# Allegro board NightIoT_uBus_Base_L433_V100_PCB.brd
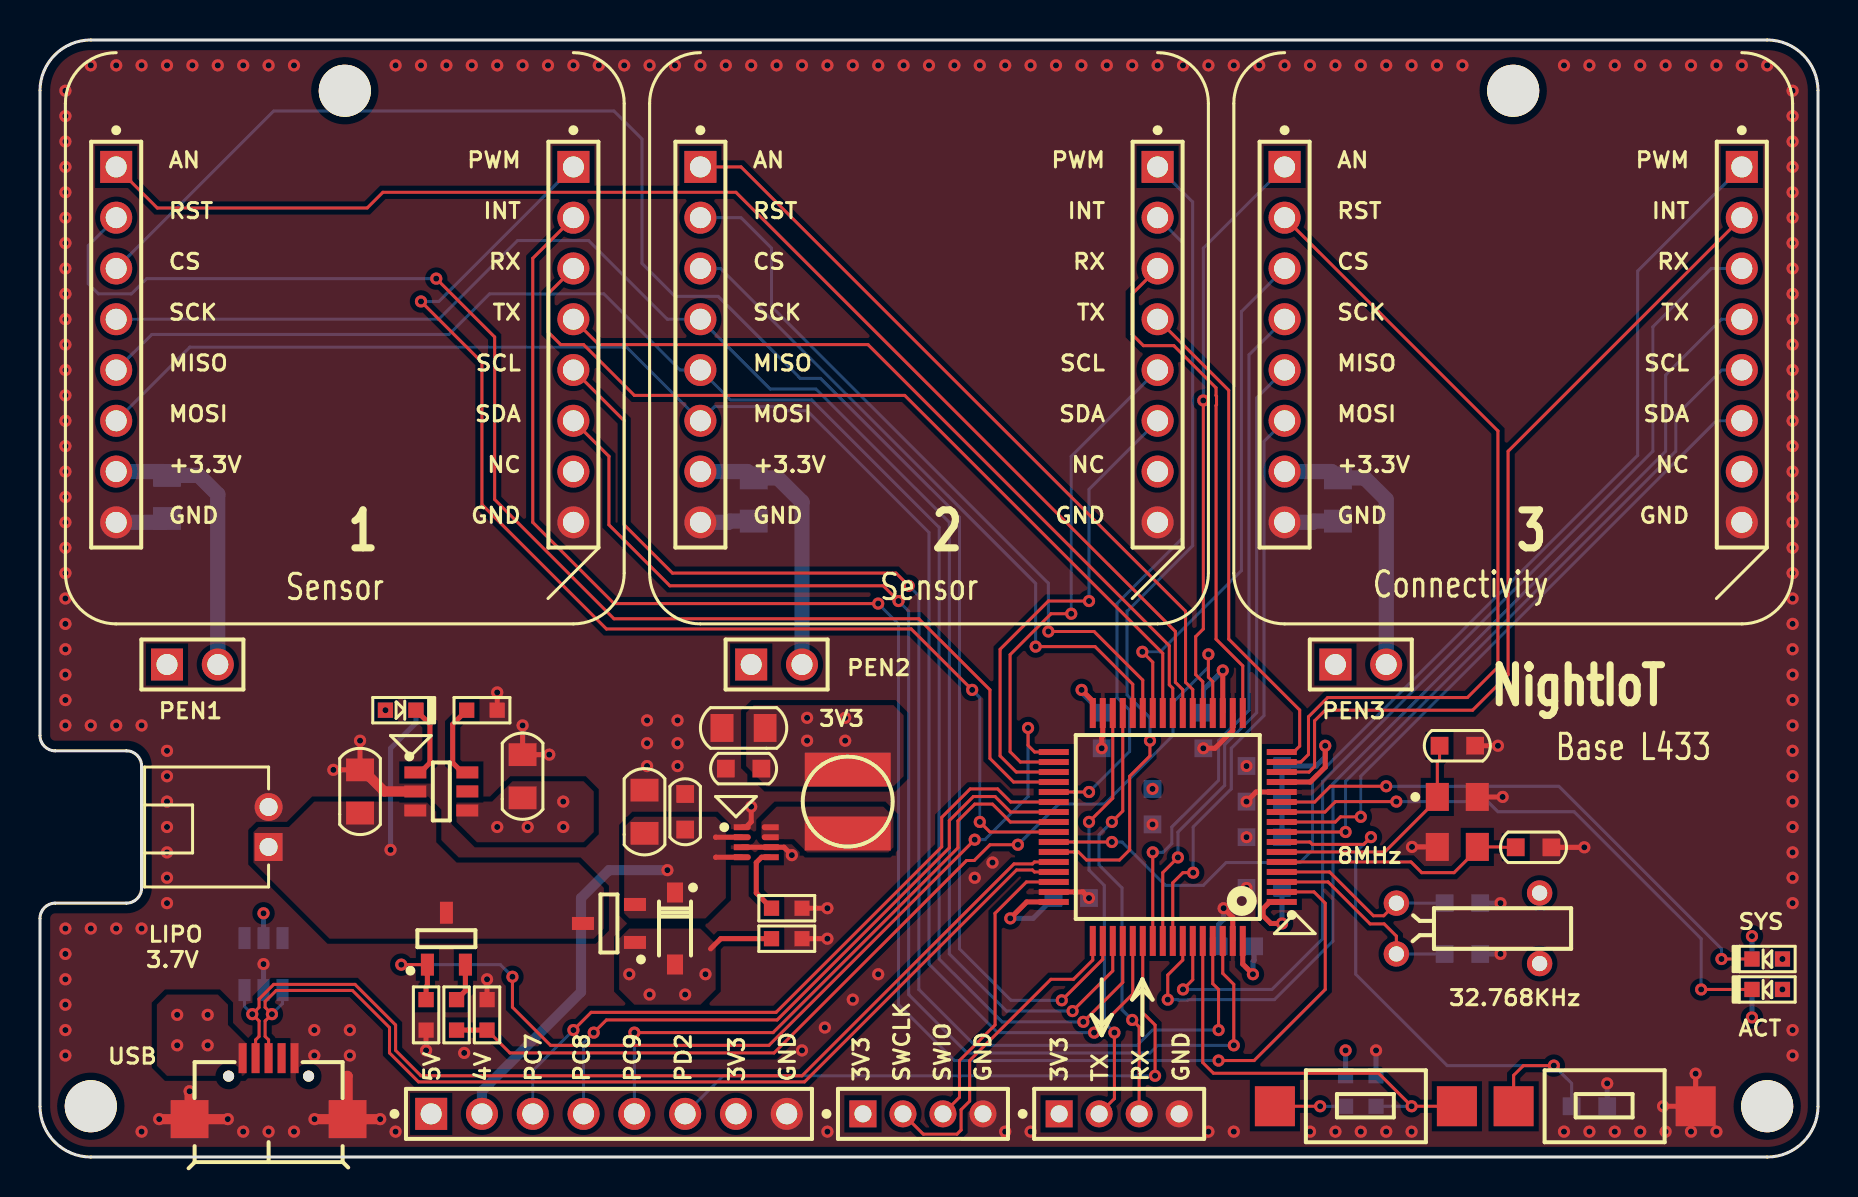
[diagram p0: board, top side]
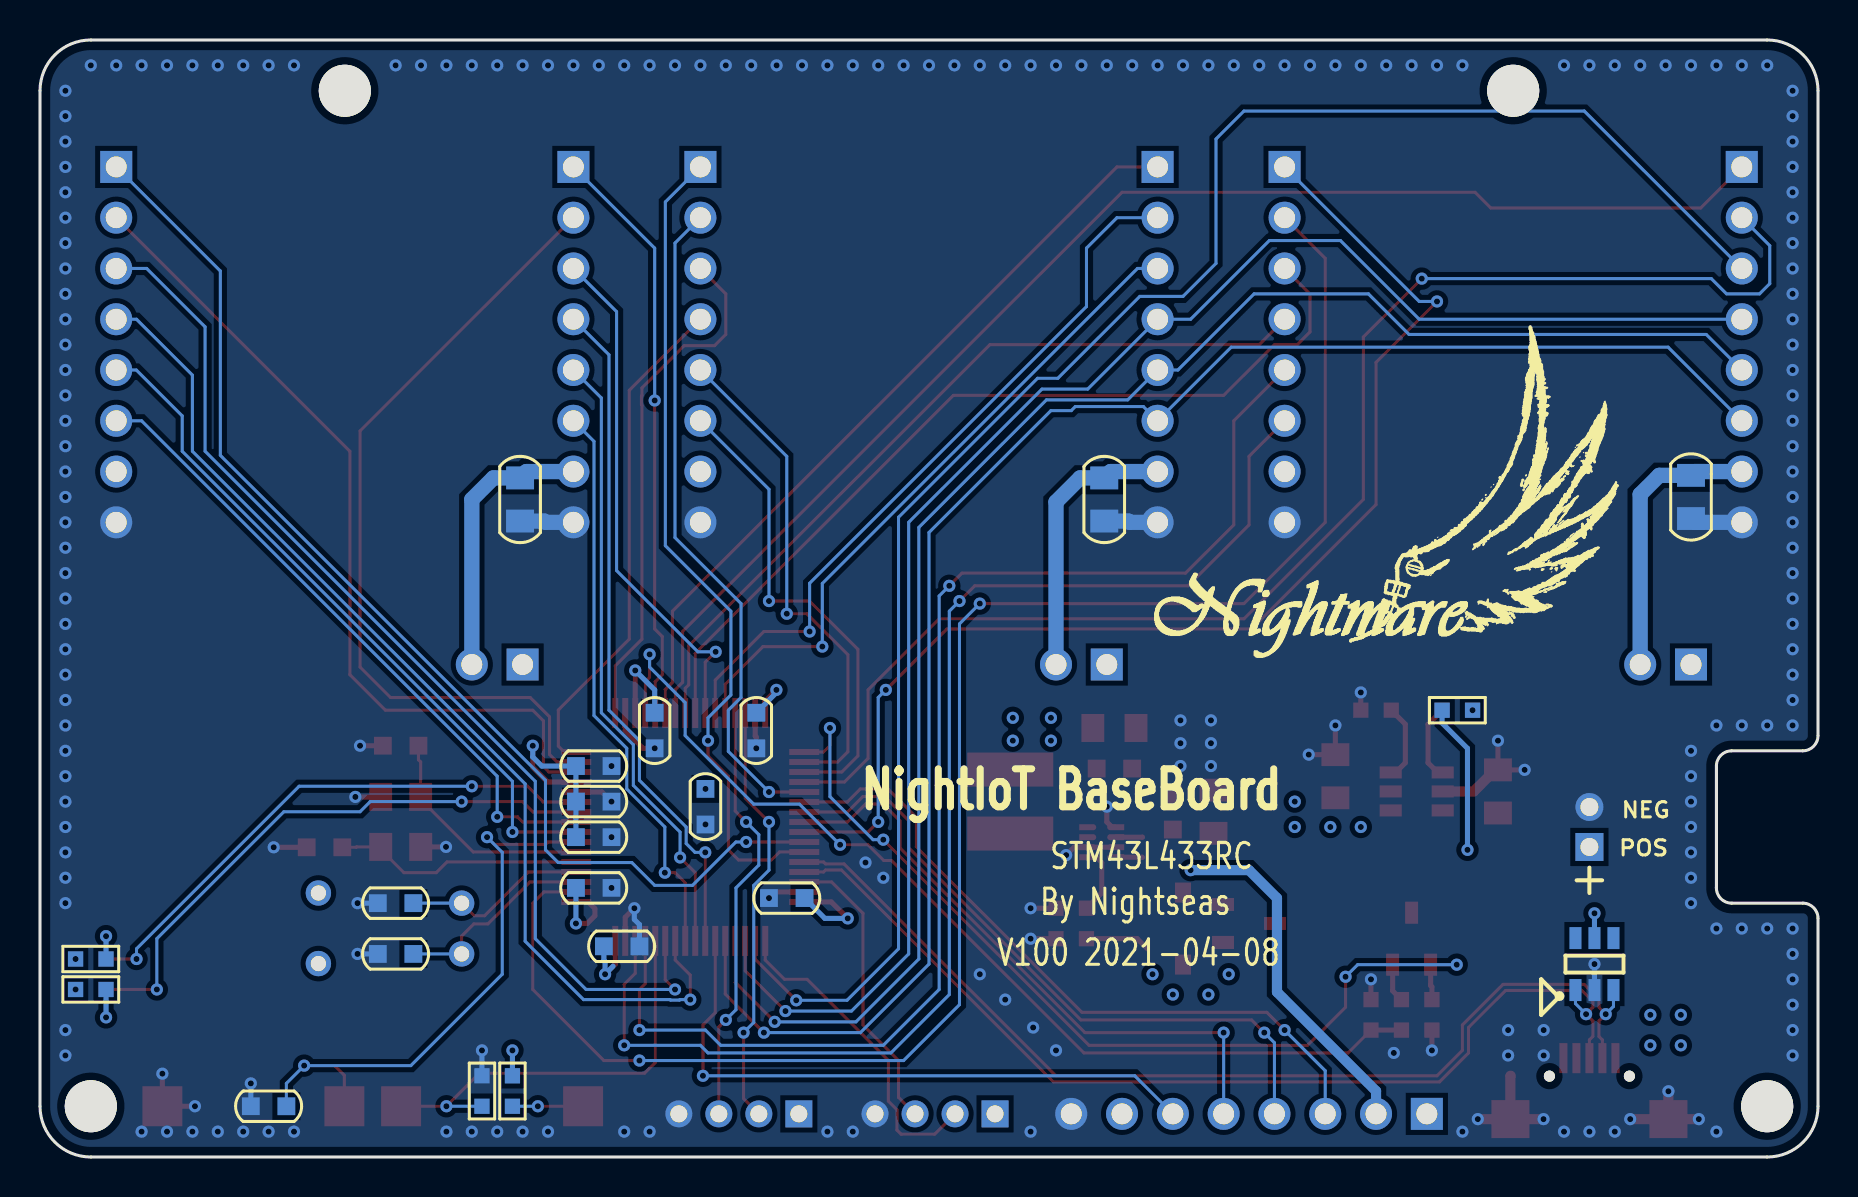
[diagram p1: board, bottom side, seen from below]

Outline 88.9 x 55.88 mm; copper layers: TOP, L2_GND, L3_PWR, BOTTOM. Coordinates in mm from the lower left corner of the outline.
Outline path: 0,53.34 0,21.08 arc(0.22,20.54) 0.76,20.32 4.32,20.32 arc(4.86,20.1) 5.08,19.56 5.08,13.46 arc(4.86,12.92) 4.32,12.7 0.76,12.7 arc(0.22,12.48) 0,11.94 0,2.54 arc(0.74,0.74) 2.54,0 86.36,0 arc(88.16,0.74) 88.9,2.54 88.9,53.34 arc(88.16,55.14) 86.36,55.88 2.54,55.88 arc(0.74,55.14) 0,53.34

## Design rules (mm)
net group DP_USB: nets PA11_USB_DM PA12_USB_DP

## Placement (name value [footprint] x y rotation side)
C1  22pF NC  [C0603]  71.12 10.16 270 bottom
C9  22pF NC  [C0603]  71.12 12.7 270 bottom
C10  10uF  [C0805]  24.13 19.05 180 top
C11  10uF  [C0805]  16 18.29 180 top
C12  4.7uF  [C0805]  30.23 17.27 180 top
C13  0.1uF  [C0603]  32.26 17.27 180 top
C14  0.1uF  [C0603]  35.18 19.43 270 top
C15  10uF  [C0805]  35.18 21.46 270 top
C16  0.1uF  [C0603]  77.47 2.54 90 bottom
C17  22pF  [C0603]  70.87 20.57 270 top
C18  22pF  [C0603]  74.68 15.49 270 top
C19  0.1uF  [C0603]  58.17 21.34 0 bottom
C20  1uF  [C0603]  61.21 16 270 bottom
C22  10nF  [C0603]  61.21 19.56 270 bottom
C23  0.1uF  [C0603]  61.21 17.78 270 bottom
C24  4.7uF  [C0603]  55.63 17.53 0 bottom
C25  0.1uF  [C0603]  61.21 13.46 270 bottom
C26  0.1uF  [C0603]  59.82 10.54 270 bottom
C27  0.1uF  [C0603]  53.09 21.34 0 bottom
C28  1uF  [C0603]  51.56 12.95 90 bottom
C29  10uF  [C0805]  6.35 33.02 180 bottom
C30  10uF  [C0805]  35.69 32.89 180 bottom
C31  10uF  [C0805]  64.9 32.89 180 bottom
D1  SS12  [SOD123]  31.75 11.43 270 top
D2  SRV05 NC  [SOT23-6]  11.18 9.65 90 bottom
J1  uBUS_CON_A  [SIP8]  3.81 49.53 270 top
J2  uBUS_CON_B  [SIP8]  26.67 49.53 270 top
J3  uBUS_CON_A  [SIP8]  33.02 49.53 270 top
J4  uBUS_CON_B  [SIP8]  55.88 49.53 270 top
J5  uBUS_CON_A  [SIP8]  62.23 49.53 270 top
J6  uBUS_CON_B  [SIP8]  85.09 49.53 270 top
J7  SWD_CON  [SIP4_2MM]  41.15 2.16 0 top
J8  UART_CON  [SIP4_2MM]  50.96 2.16 0 top
J9  EXT_IO_CON  [SIP8]  19.56 2.16 0 top
J10  M1_PWR_JMP  [SIP2]  6.35 24.64 0 top
J11  M2_PWR_JMP  [SIP2]  35.56 24.64 0 top
J12  M3_PWR_JMP  [SIP2]  64.77 24.64 0 top
L5  2.2uH  [CD43]  40.39 17.78 90 top
LD1  YELW  [LED0603]  17.27 22.35 0 top
LD2  BLUE  [LED0603]  87.12 8.38 180 top
LD3  GRN  [LED0603]  87.12 9.91 180 top
NOREF  -  []  24.38 27.05 180 bottom
P1  MicroUSB Female  [USB_MICRO_F_SMT]  11.43 -0.25 0 top
P2  LIPO_3.7V  [PH2-2AW]  11.43 16.51 180 top
Q1  AO3401  [SOT23]  28.45 11.68 180 top
Q2  AO3401  [SOT23]  20.32 10.92 90 top
R1  1K  [R0603]  18.8 22.35 180 bottom
R2  2K  [R0603]  21.34 22.35 0 top
R3  100K NC  [R0603]  38.1 10.92 180 top
R4  267K  [R0603]  38.1 12.45 180 top
R5  1K  [R0603]  65.28 4.06 270 bottom
R6  10K  [R0603]  66.8 2.54 90 bottom
R7  10K  [R0603]  20.83 7.87 270 top
R8  10K  [R0603]  22.35 6.35 90 top
R9  1K  [R0603]  87.12 8.38 180 bottom
R10  510R  [R0603]  87.12 9.91 180 bottom
R11  10K  [R0603]  19.3 7.87 270 top
SW1  BOOT_SEL  [SW_2P_SMT]  66.29 2.54 0 top
SW2  RESET  [SW_2P_SMT]  78.23 2.54 0 top
TH1  TH2.5MM  [HL2_5]  2.54 2.54 0 top
TH2  TH2.5MM  [HL2_5]  86.36 2.54 0 top
TH3  TH2.5MM  [HL2_5]  73.66 53.34 0 top
TH4  TH2.5MM  [HL2_5]  15.24 53.34 0 top
U1  TPS62840  [SON8]  35.81 15.75 0 top
U2  TP4057  [SOT23-6]  20.07 18.29 0 top
U3  Value  [LQFP64]  56.39 16.51 180 top
Y1  32.768KHz NC  [XTAL_32KHZ]  67.82 12.7 270 top
Y2  CYST_8MHZ  [CYST_3225_4P]  70.87 16.76 0 top

## Library data of the parts
C1 = CAP NP: signal model: DEFAULT_CAPACITOR_1e+07pF_2_1
C9 = CAP NP: signal model: DEFAULT_CAPACITOR_47pF_2_1
C10 = CAP_CE_0603: signal model: DEFAULT_CAPACITOR_100000pF_2_1
C11-C20 C22-C31 = CAP_CE_0603
D1 = DIODE PIN
D2 = SRV05-4
J1-J6 J9 = HEADER 8
J7 J8 = HEADER 4
J10-J12 = HEADER 2
L5 = INDUCTOR
LD1 = LED_0805
LD2 LD3 = LED
P1 = CON_USB_MICRO_F: User Part Number: pn; Tolerance: RichardLC
P2 = BATTERY
Q1 Q2 = PMOS
R1-R7 R9-R11 = R
R8 = R: signal model: DEFAULT_RESISTOR_510OHM_2_1
SW1 SW2 = SW_PB_SPST
TH1-TH4 = THROUGH_HOLE
U1 = TPS62840
U2 = TP4057
U3 = STM32L433RCT6
Y1 = ZTA
Y2 = CYST_4P

## Footprints (pads in the part's own frame, mm; a bottom-side part is the same pattern mirrored in y, then rotated)
C0603
  rect 0.889x0.889 smd: 1(0,0.889) 2(0,-0.889)
C0805
  rect 1.397x1.143 smd: 1(0,1.079) 2(0,-1.079)
CD43
  rect 1.7x4.3 smd: 1(-1.6,0) 2(1.6,0)
CYST_3225_4P
  rect 1.15x1.4 smd: 1(-1,1.25) 2(-1,-1.25) 3(1,-1.25) 4(1,1.25)
HL2_5
  round 2.6 hole 2.6: 1(0,0)
LED0603
  rect 0.762x0.762 smd: 1(0,0) 2(1.524,0)
LQFP64
  rect 1.5x0.3 smd: 1(-5.7,3.75) 2(-5.7,3.25) 3(-5.7,2.75) 4(-5.7,2.25) 5(-5.7,1.75) 6(-5.7,1.25) 7(-5.7,0.75) 8(-5.7,0.25) 9(-5.7,-0.25) 10(-5.7,-0.75) 11(-5.7,-1.25) 12(-5.7,-1.75) 13(-5.7,-2.25) 14(-5.7,-2.75) 15(-5.7,-3.25) 16(-5.7,-3.75) 33(5.7,-3.75) 34(5.7,-3.25) 35(5.7,-2.75) 36(5.7,-2.25) 37(5.7,-1.75) 38(5.7,-1.25) 39(5.7,-0.75) 40(5.7,-0.25) 41(5.7,0.25) 42(5.7,0.75) 43(5.7,1.25) 44(5.7,1.75) 45(5.7,2.25) 46(5.7,2.75) 47(5.7,3.25) 48(5.7,3.75)
  rect 0.3x1.5 smd: 17(-3.75,-5.7) 18(-3.25,-5.7) 19(-2.75,-5.7) 20(-2.25,-5.7) 21(-1.75,-5.7) 22(-1.25,-5.7) 23(-0.75,-5.7) 24(-0.25,-5.7) 25(0.25,-5.7) 26(0.75,-5.7) 27(1.25,-5.7) 28(1.75,-5.7) 29(2.25,-5.7) 30(2.75,-5.7) 31(3.25,-5.7) 32(3.75,-5.7) 49(3.75,5.7) 50(3.25,5.7) 51(2.75,5.7) 52(2.25,5.7) 53(1.75,5.7) 54(1.25,5.7) 55(0.75,5.7) 56(0.25,5.7) 57(-0.25,5.7) 58(-0.75,5.7) 59(-1.25,5.7) 60(-1.75,5.7) 61(-2.25,5.7) 62(-2.75,5.7) 63(-3.25,5.7) 64(-3.75,5.7)
PH2-2AW
  rect 1.4x1.4 hole 0.9: 1(0,1)
  round 1.4 hole 0.9: 2(0,-1)
R0603
  rect 0.762x0.762 smd: 1(0,0) 2(1.524,0)
SIP2
  rect 1.6x1.6 hole 1.05: 1(0,0)
  round 1.6 hole 1.05: 2(2.54,0)
SIP4_2MM
  rect 1.35x1.35 hole 0.85: 1(0,0)
  round 1.35 hole 0.85: 2(2,0) 3(4,0) 4(6,0)
SIP8
  rect 1.6x1.6 hole 1.05: 1(0,0)
  round 1.6 hole 1.05: 2(2.54,0) 3(5.08,0) 4(7.62,0) 5(10.16,0) 6(12.7,0) 7(15.24,0) 8(17.78,0)
SOD123
  rect 1x0.8 smd: 1(1.8,0) 2(-1.8,0)
SON8
  custom 0.85x0.3 smd: 1(-0.7,0.75) 2(-0.7,0.25) 3(-0.7,-0.25) 4(-0.7,-0.75) 5(0.7,-0.75) 6(0.7,-0.25) 7(0.7,0.25) 8(0.7,0.75)
SOT23
  rect 1.1x0.65 smd: 1(-1.3,0.95) 2(-1.3,-0.95) 3(1.3,0)
SOT23-6
  rect 1.1x0.6 smd: 1(-1.3,0.95) 2(-1.3,0) 3(-1.3,-0.95) 4(1.3,-0.95) 5(1.3,0) 6(1.3,0.95)
SW_2P_SMT
  rect 2x2 smd: 1(-4.55,0) 2(4.55,0)
USB_MICRO_F_SMT
  round 0.55 hole 0.55: (-2,4.3) (2,4.3)
  rect 0.4x1.5 smd: 1(-1.3,5.2) 2(-0.65,5.2) 3(0,5.2) 4(0.65,5.2) 5(1.3,5.2)
  rect 1.9x1.9 smd: 6(-3.95,2.15) 7(3.95,2.15)
XTAL_32KHZ
  round 1.27 hole 0.762: (-0.508,7.163) (3.023,7.163) 1(0,0) 2(2.54,0)

## Nets
GND: C1.2 C9.2 C10.2 C11.2 C12.2 C13.2 C14.2 C15.2 C16.1 C17.1 C18.1 C19.1 C20.1 C22.1 C23.1 C24.1 C25.1 C26.1 C27.1 C28.1 C29.2 C30.2 C31.2 D2.2(GND) J1.8 J2.8 J3.8 J4.8 J5.8 J6.8 J7.4 J8.4 J9.8 P1.5(GND) P1.6(SHLD1) P1.7(SHLD2) P2.2(-) R2.2 R3.1 R4.1 R6.2 R8.2 R11.2 SW2.2 U1.1(GND) U1.3(MODE) U1.6(STOP) U2.2(GND) U3.12(VSSA/VREF-) U3.18(VSS) U3.31(VSS_1) U3.47(VSS_2) U3.63(VSS_3) Y2.2(GND#2) Y2.4(GND#4)
VBAT: C11.1 P2.1(+) Q1.3(DRAIN) Q2.3(DRAIN) R1.1 U2.3(BAT)
VDD3V3: C14.1 C15.1 C19.2 C20.2 C22.2 C23.2 C24.2 C25.2 C26.2 C27.2 C28.2 J7.1 J8.1 J9.7 J10.1 J11.1 J12.1 L5.2 R5.1 R9.2 R10.2 U3.1(VBAT) U3.13(VDDA/VREF+) U3.19(VDD) U3.32(VDD_1) U3.48(VDDUSB) U3.64(VDD_2)
VDD3V3_M1: C29.1 J1.7 J10.2
VDD3V3_M2: C30.1 J3.7 J11.2
VDD3V3_M3: C31.1 J5.7 J12.2
VDD5V_USB: C10.1 D1.1(A) D2.5(VCC) J9.1 P1.1(VCC) Q1.1(GATE) R3.2 U2.4(VCC)
VDD_SYS: C12.1 C13.1 D1.2(K) J9.2 Q1.2(SOURCE) U1.2(VIN) U1.4(EN)
BOOT0: R6.1 SW1.2 U3.60(PH3-BOOT0)
CHRG: LD1.2(CATHODE) U2.1(CHRG)
PA0_WKUP1: J6.2 U3.14(PA0)
PA1_GPIO1: J5.2 U3.15(PA1)
PA2_USART2_TX: J4.4 U3.16(PA2)
PA3_USART2_RX: J4.3 U3.17(PA3)
PA4_ADC1_IN9: R7.2 R8.1 U3.20(PA4)
PA5_ADC1_IN10: J5.1 U3.21(PA5)
PA6_ADC1_IN11: J3.1 U3.22(PA6)
PA7_ADC1_IN12: J1.1 U3.23(PA7)
PA8_PWM1_CH1: J2.1 U3.41(PA8)
PA9_PWM1_CH2: J6.1 U3.42(PA9)
PA10_PWM1_CH3: J4.1 U3.43(PA10)
PA11_USB_DM: D2.3(IO2) P1.2(D-) U3.44(PA11)
PA12_USB_DP: D2.1(IO1) P1.3(D+) U3.45(PA12)
PA13_SWDIO: J7.3 U3.46(PA13)
PA14_SWCLK: J7.2 U3.49(PA14)
PA15_SPI3_NSS_GPIO0: J1.3 U3.50(PA15)
PB0_SPI1_NSS: J5.3 U3.26(PB0)
PB1_GPIO2: J3.2 U3.27(PB1)
PB2_GPIO3: J3.3 U3.28(PB2)
PB3_SPI1_SCK: J5.4 U3.55(PB3)
PB4_SPI1_MISO: J5.5 U3.56(PB4)
PB5_SPI1_MOSI: J5.6 U3.57(PB5)
PB6_USART1_TX: J6.4 U3.58(PB6)
PB7_USART1_RX: J6.3 U3.59(PB7)
PB8_I2C1_SCL: J2.5 U3.61(PB8)
PB9_I2C1_SDA: J2.6 U3.62(PB9)
PB10_LPUART1_RX: J8.3 U3.29(PB10)
PB11_LPUART1_TX: J8.2 U3.30(PB11)
PB12_GPIO4_VBM_EN: Q2.1(GATE) R11.1 U3.33(PB12)
PB13_I2C2_SCL: J4.5 U3.34(PB13)
PB14_I2C2_SDA: J4.6 U3.35(PB14)
PB15_GPIO5: J1.2 U3.36(PB15)
PC0_I2C3_SCL: J6.5 U3.8(PC0)
PC1_I2C3_SDA: J6.6 U3.9(PC1)
PC2_GPIO6: LD2.2(CATHODE) U3.10(PC2)
PC3_GPIO7: LD3.2(CATHODE) U3.11(PC3)
PC4_USART3_TX: J2.4 U3.24(PC4)
PC5_USART3_RX: J2.3 U3.25(PC5)
PC6_GPIO8: J4.2 U3.37(PC6)
PC7_GPIO9: J9.3 U3.38(PC7)
PC8_GPIO10: J9.4 U3.39(PC8)
PC9_GPIO11: J9.5 U3.40(PC9)
PC10_SPI3_SCK: J1.4 J3.4 U3.51(PC10)
PC11_SPI3_MISO: J1.5 J3.5 U3.52(PC11)
PC12_SPI3_MOSI: J1.6 J3.6 U3.53(PC12)
PC13_WKUP2: J2.2 U3.2(PC13)
PC14_OSC32_IN: C1.1 U3.3(PC14-OSC32_IN) Y1.2
PC15_OSC32_OUT: C9.1 U3.4(PC15-OSC32_OUT) Y1.1
PD2_GPIO12: J9.6 U3.54(PD2)
PH0_OSC_IN: C18.2 U3.5(PH0-OSC_IN) Y2.3(XOUT)
PH1_OSC_OUT: C17.2 U3.6(PH1-OSC_OUT) Y2.1(XIN)
RBAT: R2.1 U2.6(PROG)
RST#: C16.2 SW2.1 U3.7(NRST)
VSET: R4.2 U1.5(VSET)
VSW: L5.1 U1.7(SW) U1.8(VOS)
N1573553: LD1.1(ANODE) R1.2
N1619883: LD2.1(ANODE) R9.1
N1619909: LD3.1(ANODE) R10.1
N1620865: R5.2 SW1.1
N1630159: Q2.2(SOURCE) R7.1

Pads without a net: D2 4 6; J2 7; J4 7; J6 7; P1 4; TH1 1; TH2 1; TH3 1; TH4 1; U2 5

## Via types
v1: diameter 0.61, hole 0.305, TOP to BOTTOM, 302 vias

## Routing (per net, layer and track width the routed paths; a pad name or vN(x,y) marks a point on that pad's centre or on a via; arc(x,y) is an arc through that point)
GND: length 63
  TOP w0.254: v1(60.33,17.78) 60.81,18.26 U3.12 ; U3.18 59.64,21.34 58.75,20.45 v1(58.17,20.45) ; C18.1 v1(77.22,15.49) ; Y2.2 v1(68.6,15.51) ; v1(59.18,12.45) 59.64,11.99 U3.63 ; U3.31 53.14,21.06 53.09,21.01 v1(53.09,20.45) ; v1(24.13,21.59) C10.2 v1(25.46,20.13) ; U1.1 35.29,16.5 35.56,16.76 v1(35.56,17.53) ; v1(82.78,4.17) SW2.2 v1(81.15,2.54) ; R8.2 v1(22.35,8.89) ; U3.47 52.14,13.26 v1(52.45,12.95) ; U1.3 U1.6 37.2,15.5 v1(37.59,15.1) ; v1(14.67,19.37) C11.2 v1(16,20.83) ; R4.1 v1(39.37,12.45) ; R2.2 v1(22.86,23.24) ; Y2.4 v1(73.13,18.01) ; R11.2 v1(19.3,5.33) ; R3.1 v1(39.37,10.92) ; C17.1 v1(72.9,20.57)
  TOP w0.508: P1.7 v1(17.01,1.9) ; P1.7 v1(13.72,1.9) ; P1.7 15.38,4.05 15.37,4.06 ; P1.6 v1(5.96,1.9) ; P1.6 v1(9.39,1.9) ; P1.6 v1(7.48,3.29) ; U2.2 17.21,18.29 16.13,19.37 C11.2
  BOTTOM w0.254: C16.1 v1(78.36,3.68) ; C9.2 v1(73.03,12.7) ; C1.2 v1(73.03,10.16) ; v1(59.18,12.45) 59.18,11.88 58.93,11.63 C26.1 ; R6.2 v1(66.8,5.33) ; D2.2 v1(11.18,9.65)
  BOTTOM w0.762: C31.2 63.69,31.81 63.62,31.75 J5.8 ; C29.2 6.16,31.75 J1.8 ; C30.2 34.48,31.81 34.41,31.75 J3.8
  vias: v1(1.27,53.34) v1(1.27,52.07) v1(1.27,50.8) v1(1.27,49.53) v1(1.27,48.26) v1(1.27,46.99) v1(1.27,45.72) v1(1.27,44.45) v1(1.27,43.18) v1(1.27,41.91) v1(1.27,40.64) v1(1.27,39.37) v1(1.27,38.1) v1(1.27,36.83) v1(1.27,35.56) v1(1.27,34.29) v1(1.27,33.02) v1(1.27,31.75) v1(1.27,30.48) v1(1.27,29.21) v1(1.27,27.94) v1(1.27,26.67) v1(1.27,25.4) v1(1.27,24.13) v1(1.27,22.86) v1(1.27,21.59) v1(1.27,11.43) v1(1.27,10.16) v1(1.27,8.89) v1(1.27,7.62) v1(1.27,6.35) v1(1.27,5.08) v1(2.54,54.61) v1(2.54,21.59) v1(2.54,11.43) v1(3.81,54.61) v1(3.81,21.59) v1(3.81,11.43) v1(5.08,54.61) v1(5.08,21.59) v1(5.08,11.43) v1(5.08,1.27) v1(6.35,54.61) v1(6.35,20.32) v1(6.35,19.05) v1(6.35,17.78) v1(6.35,16.51) v1(6.35,15.24) v1(6.35,13.97) v1(6.35,12.7) v1(7.62,54.61) v1(8.89,54.61) v1(10.16,54.61) v1(10.16,1.27) v1(11.43,54.61) v1(11.43,1.27) v1(12.7,54.61) v1(12.7,1.27) v1(13.72,6.35) v1(13.72,5.08) v1(15.49,6.35) v1(15.49,5.08) v1(17.78,54.61) v1(17.78,1.27) v1(19.05,54.61) v1(20.32,54.61) v1(21.21,5.21) v1(21.59,54.61) v1(22.86,54.61) v1(24.13,54.61) v1(25.4,54.61) v1(26.67,54.61) v1(27.94,54.61) v1(29.21,54.61) v1(30.35,21.84) v1(30.35,20.7) v1(30.35,19.56) v1(30.48,54.61) v1(31.75,54.61) v1(31.88,21.84) v1(31.88,20.7) v1(31.88,19.56) v1(33.02,54.61) v1(34.29,54.61) v1(35.56,54.61) v1(36.83,54.61) v1(38.1,54.61) v1(38.1,5.33) v1(39.24,6.48) v1(39.37,54.61) v1(39.37,1.27) v1(40.64,54.61) v1(40.64,7.87) v1(41.91,54.61) v1(41.91,9.14) v1(43.18,54.61) v1(44.45,54.61) v1(45.72,54.61) v1(46.74,13.97) v1(46.99,54.61) v1(47.62,14.73) v1(48.26,54.61) v1(48.26,1.27) v1(49.53,54.61) v1(49.53,1.27) v1(50.8,54.61) v1(52.07,54.61) v1(53.34,54.61) v1(54.61,54.61) v1(55.63,16.64) v1(55.88,54.61) v1(57.15,54.61) v1(58.42,54.61) v1(58.42,1.27) v1(59.69,54.61) v1(59.69,1.27) v1(60.33,19.56) v1(60.33,16) v1(60.33,13.46) v1(60.96,54.61) v1(62.23,54.61) v1(63.5,54.61) v1(63.5,1.27) v1(64.77,54.61) v1(64.77,1.27) v1(66.04,54.61) v1(66.04,1.27) v1(67.31,54.61) v1(67.31,1.27) v1(68.58,54.61) v1(68.58,1.27) v1(69.85,54.61) v1(71.12,54.61) v1(76.2,54.61) v1(76.2,1.27) v1(77.47,54.61) v1(77.47,1.27) v1(78.74,54.61) v1(78.74,1.27) v1(80.01,54.61) v1(80.01,1.27) v1(81.28,54.61) v1(81.28,1.27) v1(82.55,54.61) v1(82.55,1.27) v1(83.82,54.61) v1(83.82,1.27) v1(85.09,54.61) v1(86.36,54.61) v1(87.63,53.34) v1(87.63,52.07) v1(87.63,50.8) v1(87.63,49.53) v1(87.63,48.26) v1(87.63,46.99) v1(87.63,45.72) v1(87.63,44.45) v1(87.63,43.18) v1(87.63,41.91) v1(87.63,40.64) v1(87.63,39.37) v1(87.63,38.1) v1(87.63,36.83) v1(87.63,35.56) v1(87.63,34.29) v1(87.63,33.02) v1(87.63,31.75) v1(87.63,30.48) v1(87.63,29.21) v1(87.63,27.94) v1(87.63,26.67) v1(87.63,25.4) v1(87.63,24.13) v1(87.63,22.86) v1(87.63,21.59) v1(87.63,20.32) v1(87.63,19.05) v1(87.63,17.78) v1(87.63,16.51) v1(87.63,15.24) v1(87.63,13.97) v1(87.63,12.7) v1(87.63,6.35) v1(87.63,5.08)
VBAT: length 7.5
  BOTTOM w0.254: v1(17.53,15.37) 17.53,20.44 18.8,21.71 R1.1
VDD3V3: length 34.7
  TOP w0.254: v1(60.65,9.14) 60.14,9.65 U3.64 ; v1(62.1,11.68) 61.54,11.68 61.16,12.07 61.16,12.43 61.49,12.76 U3.1 ; v1(48.51,11.94) 49.34,12.76 U3.48 ; U3.13 63.52,18.76 64.26,19.5 v1(64.26,20.57) ; U3.32 52.64,22.81 v1(52.08,23.37) ; U3.19 v1(59.14,24.34)
  BOTTOM w0.254: v1(62.1,11.68) C25.2 ; v1(59.14,24.34) 58.17,23.37 C19.2 ; v1(52.08,23.37) 52.08,23.23 C27.2 ; R10.2 v1(85.6,11.05) ; C28.2 49.66,11.94 v1(48.51,11.94) ; R5.1 v1(65.28,5.33) ; v1(64.26,20.57) 64.26,20.01 63.81,19.56 C22.2 C23.2 C20.2 ; R9.2 v1(85.6,6.99) ; C26.2 60.71,9.84 60.65,9.78 v1(60.65,9.14) 60.25,9.54
  vias: v1(38.35,21.97) v1(38.35,20.83) v1(40.26,21.97) v1(40.26,20.83) v1(55.63,18.41)
VDD3V3_M1: length 14.1
  BOTTOM w0.762: J10.2 8.89,33.15 7.94,34.1 C29.1 6.16,34.29 J1.7
VDD3V3_M2: length 13.8
  BOTTOM w0.762: J3.7 35.37,34.29 C30.1 36.9,33.97 38.1,32.77 J11.2
VDD3V3_M3: length 13.9
  BOTTOM w0.762: J5.7 64.58,34.29 C31.1 66.23,33.97 67.31,32.89 J12.2
VDD5V_USB: length 4.5
  TOP w0.254: 33.53,10.41 34.04,10.92 R3.2
  BOTTOM w0.254: D2.5 v1(11.18,12.19)
  vias: v1(6.86,7.11) v1(6.86,5.59) v1(8.38,7.11) v1(8.38,5.59) v1(22.86,16.51) v1(24.38,16.51) v1(26.16,17.78) v1(26.16,16.51) v1(29.46,9.14) v1(30.48,8.13) v1(32.26,8.13) v1(33.27,9.14)
VDD_SYS: length 20.4
  TOP w0.254: 33.78,16 33.79,16 U1.2 ; 33.78,14.99 33.79,15 U1.4
  BOTTOM w0.508: J9.2 22.1,3.3 27.05,8.26 27.05,12.95 28.45,14.35 v1(31.37,14.35)
BOOT0: length 21.5
  TOP w0.152: SW1.2 v1(68.58,2.54) 66.93,4.19 58.67,4.19 58.14,4.73 U3.60
  BOTTOM w0.152: R6.1 v1(68.58,2.54)
CHRG: length 3.9
  TOP w0.254: U2.1 19.02,19.24 19.5,19.72 19.5,21.65 LD1.2
PA0_WKUP1: length 42.4
  TOP w0.152: J6.2 73.41,35.31 73.41,24.13 71.63,22.35 64.26,22.35 63.73,21.82 63.73,19.53 63.46,19.26 U3.14
PA1_GPIO1: length 40.8
  TOP w0.152: U3.15 63.04,19.76 63.42,20.14 63.42,22.02 64.39,22.99 71.37,22.99 72.9,24.51 72.9,36.32 J5.2
PA2_USART2_TX: length 25.3
  TOP w0.152: U3.16 62.69,20.26 62.98,20.56 62.98,22.36 59.44,25.91 59.44,38.35 J4.4
PA3_USART2_RX: length 26
  TOP w0.152: J4.3 54.61,43.18 54.61,41.15 55.17,40.59 56.69,40.59 58.8,38.48 58.8,38.09 58.83,38.07 58.83,37.63 58.8,37.6 58.8,25.91 60.14,24.57 U3.17
PA4_ADC1_IN9: length 50.7
  TOP w0.152: R8.1 23.5,5.21 36.7,5.21 46.33,14.83 46.71,14.83 47.5,15.62 v1(48.9,15.62) ; v1(58.42,25.15) 58.42,24 58.64,23.79 U3.20
  TOP w0.254: R7.2 R8.1
  BOTTOM w0.152: v1(58.42,25.15) 58.42,24.51 56.64,22.73 56.64,21.08 53.21,17.65 50.93,17.65 v1(48.9,15.62)
PA5_ADC1_IN10: length 29.3
  TOP w0.152: U3.21 58.14,23.78 57.78,24.13 57.78,26.04 58.17,26.42 v1(58.17,37.85)
  BOTTOM w0.152: J5.1 58.17,45.47 v1(58.17,37.85)
PA6_ADC1_IN11: length 38.7
  TOP w0.152: U3.22 57.64,23.39 57.28,23.75 57.28,27.3 35.05,49.53 J3.1
PA7_ADC1_IN12: length 67.5
  TOP w0.152: U3.23 57.14,23.38 56.77,23.75 56.77,26.29 34.8,48.26 17.14,48.26 16.36,47.48 5.86,47.48 J1.1
PA8_PWM1_CH1: length 60.9
  TOP w0.152: v1(46.61,23.37) 43.56,26.42 28.32,26.42 22.1,32.64 22.1,39.75 v1(19.05,42.8) ; v1(46.99,16.76) 47.49,16.26 U3.41
  BOTTOM w0.152: v1(19.05,42.8) 19.94,42.8 J2.1 ; v1(46.99,16.76) 46.99,22.99 v1(46.61,23.37)
PA9_PWM1_CH2: length 57.6
  TOP w0.152: v1(53.59,15.76) U3.42
  BOTTOM w0.152: v1(53.59,15.76) 54.11,15.76 56.28,13.59 58.17,13.59 59.31,14.73 62.99,14.73 63.63,15.37 63.63,18.85 79.88,35.1 79.88,44.32 J6.1
PA10_PWM1_CH3: length 41.3
  TOP w0.152: v1(55.5,20.83) 55.5,20.07 54.48,19.05 54.48,15.37 53.98,14.86 52.32,14.86 51.92,15.26 U3.43
  BOTTOM w0.152: v1(55.5,20.83) 55.5,21.97 54.36,23.11 54.36,27.3 57.63,30.58 57.63,47.78 J4.1
PA11_USB_DM: length 51.8
  TOP w0.152: U3.44 49.72,14.76 49.62,14.66 48.7,14.66 38.1,4.06 19.05,4.06 17.78,5.33 17.78,6.6 15.75,8.64 11.68,8.64 10.95,7.9 10.95,7.48 v1(10.61,7.15) 10.95,6.81 10.95,6.03 10.78,5.86 P1.2
  BOTTOM w0.152: D2.3 10.23,7.53 v1(10.61,7.15)
PA12_USB_DP: length 51.3
  TOP w0.152: P1.3 11.43,5.86 11.26,6.03 11.26,6.81 v1(11.6,7.15) 11.26,7.48 11.26,7.78 11.81,8.33 15.62,8.33 17.48,6.48 17.48,5.46 17.47,5.46 17.47,5.21 18.92,3.76 38.23,3.76 48.82,14.36 49.62,14.36 49.72,14.26 U3.45
  BOTTOM w0.152: D2.1 12.13,7.68 v1(11.6,7.15)
PA13_SWDIO: length 14.7
  TOP w0.152: J7.3 45.97,2.99 45.97,4.83 47.75,6.6 47.75,12.19 49.32,13.76 U3.46
PA14_SWCLK: length 16.3
  TOP w0.152: J7.2 44.16,1.14 45.85,1.14 46.05,1.35 46.05,2.36 46.48,2.79 46.48,4.83 50.55,8.89 51.67,8.89 52.64,9.85 U3.49
PA15_SPI3_NSS_GPIO0: length 89.1
  TOP w0.152: v1(51.09,7.84) 53.14,9.89 U3.50
  BOTTOM w0.152: J1.3 11.68,52.32 28.7,52.32 30.1,50.93 30.1,44.7 31.75,43.05 33.91,43.05 38.01,38.95 39.02,38.95 45.97,32 45.97,10.41 48.55,7.84 v1(51.09,7.84)
PB0_SPI1_NSS: length 25.9
  TOP w0.152: U3.26 55.64,24.75 v1(55.12,25.27)
  BOTTOM w0.152: J5.3 60.07,42.29 60.07,29.34 56.01,25.27 v1(55.12,25.27)
PB1_GPIO2: length 36.5
  TOP w0.152: U3.27 55.14,23.86 52.7,26.29 v1(50.42,26.29)
  BOTTOM w0.152: v1(50.42,26.29) 50.42,28.7 36.58,42.55 36.58,45.47 35.05,46.99 J3.2
PB2_GPIO3: length 33.5
  TOP w0.152: U3.28 54.64,23.65 52.75,25.53 v1(49.78,25.53)
  BOTTOM w0.152: J3.3 34.03,44.45 49.78,28.69 v1(49.78,25.53)
PB3_SPI1_SCK: length 34.1
  TOP w0.152: v1(55.64,15.24) U3.55
  BOTTOM w0.152: J5.4 60.45,40.13 60.45,22.35 58.93,20.83 58.93,18.85 56.59,16.51 56.59,15.68 56.15,15.24 v1(55.64,15.24)
PB4_SPI1_MISO: length 31.1
  TOP w0.152: U3.56 56.14,14.23 v1(56.9,14.99)
  BOTTOM w0.152: J5.5 60.83,37.97 60.83,22.23 59.23,20.62 59.23,18.59 56.9,16.26 v1(56.9,14.99)
PB5_SPI1_MOSI: length 28.6
  TOP w0.152: U3.57 56.64,13.72 57.14,14.22 v1(57.66,14.22)
  BOTTOM w0.152: v1(57.66,14.22) 57.66,16.51 59.56,18.41 59.56,20.45 61.2,22.09 61.2,35.8 J5.6
PB6_USART1_TX: length 52.9
  TOP w0.152: U3.58 57.14,9.85 56.39,9.1 v1(56.39,7.87)
  BOTTOM w0.152: v1(56.39,7.87) 56.9,7.87 56.93,7.85 57.37,7.85 57.4,7.87 61.72,7.87 64.64,10.79 64.64,18.67 81.28,35.31 81.28,39.12 84.07,41.91 J6.4
PB7_USART1_RX: length 53.8
  TOP w0.152: v1(57.15,8.38) 57.64,8.87 U3.59
  BOTTOM w0.152: J6.3 83.57,44.45 80.64,41.53 80.64,35.31 64.14,18.8 64.14,10.92 61.59,8.38 v1(57.15,8.38)
PB8_I2C1_SCL: length 65.7
  TOP w0.152: v1(43.43,28.57) 42.8,29.21 31.62,29.21 29.21,31.62 29.21,36.83 J2.5 ; v1(58.93,6.35) 58.93,8.38 58.64,8.67 U3.61
  BOTTOM w0.152: v1(43.43,28.57) 43.94,28.07 43.94,8.38 46.74,5.59 54.86,5.59 55.63,6.35 v1(58.93,6.35)
PB9_I2C1_SDA: length 65
  TOP w0.152: v1(42.93,27.81) 42.16,28.57 31.5,28.57 28.45,31.62 28.45,35.05 J2.6 ; v1(59.69,5.59) 59.69,8.64 59.14,9.19 U3.62
  BOTTOM w0.152: v1(42.93,27.81) 43.43,27.3 43.43,8.13 46.35,5.21 55.5,5.21 55.88,5.59 v1(59.69,5.59)
PB10_LPUART1_RX: length 21.5
  TOP w0.152: v1(54.61,6.86) 54.96,6.51 J8.3 54.96,2.03 ; v1(53.59,16.76) 54.14,17.31 U3.29
  BOTTOM w0.152: v1(53.59,16.76) 52.96,16.13 52.96,14.61 54.1,13.46 54.1,7.37 v1(54.61,6.86)
PB11_LPUART1_TX: length 21.4
  TOP w0.152: v1(52.45,16.76) 53.64,17.95 U3.30 ; v1(53.72,6.22) 53.72,2.92 J8.2
  BOTTOM w0.152: v1(52.45,16.76) 52.45,14.35 53.21,13.59 53.21,6.73 v1(53.72,6.22)
PB12_GPIO4_VBM_EN: length 47.9
  TOP w0.152: U3.33 49.73,20.26 49.4,20.59 v1(49.4,21.46) ; Q2.1 v1(18.06,9.62) ; v1(23.62,9.02) 23.62,7.49 25.53,5.59 36.45,5.59 v1(46.74,15.88)
  TOP w0.254: R11.1 19.3,8.51 19.37,8.58 Q2.1
  BOTTOM w0.152: v1(49.4,21.46) 49.4,18.03 47.25,15.88 v1(46.74,15.88) ; v1(18.06,9.62) 23.02,9.62 v1(23.62,9.02)
PB13_I2C2_SCL: length 25.1
  TOP w0.152: U3.34 49.02,19.76 48.51,20.27 48.51,25.13 50.55,27.18 v1(51.56,27.18)
  BOTTOM w0.152: v1(51.56,27.18) 51.56,35.05 J4.5
PB14_I2C2_SDA: length 24.2
  TOP w0.152: v1(52.45,27.81) 50.42,27.81 48.01,25.4 48.01,20.07 48.81,19.26 U3.35
  BOTTOM w0.152: J4.6 52.45,33.4 v1(52.45,27.81)
PB15_GPIO5: length 69.9
  TOP w0.152: v1(19.81,43.94) 22.73,41.02 22.73,32.89 28.7,26.92 43.94,26.92 47.5,23.37 47.5,19.94 48.68,18.76 U3.36
  BOTTOM w0.152: J1.2 2.41,45.59 2.41,43.69 2.92,43.18 4.57,43.18 5.33,43.94 v1(19.81,43.94)
PC0_I2C3_SCL: length 35.1
  TOP w0.152: U3.8 v1(65.28,16.26)
  BOTTOM w0.152: J6.5 84.08,39.37 81.79,37.07 81.79,35.31 65.28,18.8 v1(65.28,16.26)
PC1_I2C3_SDA: length 32.5
  TOP w0.152: U3.9 64.77,16.76 65.02,17.02 v1(66.04,17.02)
  BOTTOM w0.152: v1(66.04,17.02) 66.04,19.05 83.82,36.83 J6.6
PC2_GPIO6: length 29.1
  TOP w0.152: U3.10 64.25,17.26 64.77,17.78 v1(67.82,17.78) ; v1(83.06,8.38) LD2.2
  BOTTOM w0.152: v1(67.82,17.78) 72.39,17.78 72.9,17.27 76.71,17.27 83.06,10.92 v1(83.06,8.38)
PC3_GPIO7: length 27.7
  TOP w0.152: LD3.2 v1(84.07,9.91) ; U3.11 63.73,17.76 64.52,18.55 v1(67.31,18.55)
  BOTTOM w0.152: v1(84.07,9.91) 84.07,10.42 75.94,18.55 v1(67.31,18.55)
PC4_USART3_TX: length 40
  TOP w0.152: U3.24 56.64,23.45 56.46,23.62 56.46,25.58 41.4,40.64 27.94,40.64 J2.4
PC5_USART3_RX: length 44.1
  TOP w0.152: J2.3 25.4,43.18 25.4,41.27 26.04,40.64 27.18,40.64 29.72,38.1 43.23,38.1 56.14,25.2 U3.25
PC6_GPIO8: length 33.5
  TOP w0.152: U3.37 v1(52.45,18.26)
  BOTTOM w0.152: J4.2 57.15,45.72 57.15,30.99 53.85,27.69 53.85,22.99 54.48,22.35 54.48,20.29 v1(52.45,18.26)
PC7_GPIO9: length 35.2
  TOP w0.152: v1(26.67,6.35) 27.56,7.24 36.81,7.24 45.09,15.52 45.09,16.99 46.51,18.41 47.88,18.41 48.53,17.76 U3.38
  BOTTOM w0.152: v1(26.67,6.35) 24.64,4.32 J9.3
PC8_GPIO10: length 33.3
  TOP w0.152: v1(27.69,6.22) 28.32,6.86 36.86,6.86 45.47,15.47 45.47,16.83 46.67,18.03 47.75,18.03 48.53,17.26 U3.39
  BOTTOM w0.152: v1(27.69,6.22) 27.18,5.71 J9.4
PC9_GPIO11: length 30.9
  TOP w0.152: U3.40 48.52,16.76 47.62,17.65 46.74,17.65 45.9,16.81 45.9,15.47 36.65,6.22 v1(29.72,6.22)
  BOTTOM w0.152: J9.5 v1(29.72,6.22)
PC10_SPI3_SCK: length 82.4
  TOP w0.152: v1(51.63,7.3) 53.64,9.31 U3.51
  BOTTOM w0.152: J1.4 19.94,41.91 23.88,45.85 27.43,45.85 31.37,41.91 J3.4 36.51,38.42 38.8,38.42 45.47,31.75 45.47,10.16 48.33,7.3 v1(51.63,7.3)
PC11_SPI3_MISO: length 82.5
  TOP w0.152: v1(52.17,6.76) 54.14,8.73 U3.52
  BOTTOM w0.152: J1.5 5.59,41.15 20.45,41.15 22.48,43.18 28.19,43.18 32,39.37 J3.5 34.51,37.88 38.58,37.88 44.96,31.5 44.96,9.91 48.1,6.76 v1(52.17,6.76)
PC12_SPI3_MOSI: length 83.2
  TOP w0.152: v1(52.7,6.22) 54.64,8.16 U3.53
  BOTTOM w0.152: J1.6 7.49,40.51 29.34,40.51 J3.6 33.73,37.54 37.13,37.54 37.34,37.34 38.35,37.34 44.45,31.24 44.45,9.65 47.88,6.22 v1(52.7,6.22)
PC13_WKUP2: length 86.2
  TOP w0.152: v1(58.93,4.83) 60.71,4.83 64.26,8.38 64.26,12.7 63.7,13.26 U3.2 ; v1(41.91,27.69) 28.7,27.69 24.64,31.75 24.64,44.96 J2.2
  BOTTOM w0.152: v1(41.91,27.69) 42.93,26.67 42.93,7.62 45.72,4.83 v1(58.93,4.83)
PC14_OSC32_IN: length 10.2
  TOP w0.152: U3.3 64.41,13.76 66.5,11.66 67.21,11.66 67.82,11.05 Y1.2
  BOTTOM w0.152: C1.1 Y1.2
PC15_OSC32_OUT: length 9.3
  TOP w0.152: U3.4 64.48,14.26 66.67,12.07 67.19,12.07 Y1.1
  BOTTOM w0.152: C9.1 Y1.1
PD2_GPIO12: length 31.3
  TOP w0.152: v1(55.75,4.06) 55.75,6.6 55.14,7.22 U3.54
  BOTTOM w0.152: v1(55.75,4.06) 34.16,4.06 J9.6
PH0_OSC_IN: length 12.5
  TOP w0.152: C18.2 73.09,15.49 73.07,15.51 Y2.3 71.87,15.39 70.7,14.22 69.09,14.22 68.55,14.76 U3.5
PH1_OSC_OUT: length 11.6
  TOP w0.152: C17.2 69.98,19.87 69.87,19.76 Y2.1 69.87,17.89 67.24,15.26 U3.6
RBAT: length 3.9
  TOP w0.254: U2.6 21.12,19.24 20.63,19.72 20.63,21.65 R2.1
RST#: length 29.8
  TOP w0.152: v1(66.55,16) 66.19,15.64 63.62,15.64 63.5,15.76 U3.7 ; SW2.1 73.68,4.09 74.17,4.57 v1(75.69,4.57)
  BOTTOM w0.152: C16.2 76.58,3.68 v1(75.69,4.57) 70.36,4.57 65.79,9.14 65.79,15.24 v1(66.55,16)
VSET: length 3.4
  TOP w0.254: R4.2 35.81,13.21 35.81,14.73 36.08,15 U1.5
N1573553:
  vias: v1(17.27,22.35)
N1619883:
  vias: v1(87.12,8.38)
N1619909:
  vias: v1(87.12,9.91)
N1620865: length 3.5
  TOP w0.152: v1(64.01,2.54) SW1.1
  BOTTOM w0.152: R5.2 v1(64.01,2.54)
N1630159: length 1.9
  TOP w0.254: R7.1 21.27,8.32 Q2.2

## Copper pours and planes (outline as drawn; the poured copper is in the pictures)
GND on TOP: 2.54,0.51 1.1,1.1 0.51,2.54 0.51,11.94 0.58,12.12 0.76,12.19 4.32,12.19 5.22,12.56 5.59,13.46 5.59,19.56 5.22,20.46 4.32,20.83 0.76,20.83 0.58,20.9 0.51,21.08 0.51,53.34 1.1,54.78 2.54,55.37 86.36,55.37 87.8,54.78 88.39,53.34 88.39,2.54 87.8,1.1 86.36,0.51 ; 7 cut-outs
GND on TOP: 29.46,17.78 33.02,17.78 34.67,19.43 34.67,22.23 34.42,22.48 29.72,22.48 29.21,21.97 29.21,18.03
GND on TOP: 12.45,4.06 12.45,6.35 13.21,7.11 16,7.11 16.76,6.35 16.76,4.32 16.26,3.81 12.7,3.81
GND on BOTTOM: 2.54,0.51 1.1,1.1 0.51,2.54 0.51,11.94 0.58,12.12 0.76,12.19 4.32,12.19 5.22,12.56 5.59,13.46 5.59,19.56 5.22,20.46 4.32,20.83 0.76,20.83 0.58,20.9 0.51,21.08 0.51,53.34 1.1,54.78 2.54,55.37 86.36,55.37 87.8,54.78 88.39,53.34 88.39,2.54 87.8,1.1 86.36,0.51
GND on L2_GND: 2.54,0.51 1.1,1.1 0.51,2.54 0.51,11.94 0.58,12.12 0.76,12.19 4.32,12.19 5.22,12.56 5.59,13.46 5.59,19.56 5.22,20.46 4.32,20.83 0.76,20.83 0.58,20.9 0.51,21.08 0.51,53.34 1.1,54.78 2.54,55.37 86.36,55.37 87.8,54.78 88.39,53.34 88.39,2.54 87.8,1.1 86.36,0.51
VBAT on TOP: 10.67,16.26 10.67,14.73 14.48,10.92 27.69,10.92 28.19,11.43 28.19,13.46 26.92,14.73 20.83,14.73 19.81,15.75 19.81,17.27 19.3,17.78 13.72,17.78 12.45,16.51 10.92,16.51
VDD3V3 on TOP: 35.31,22.23 35.31,19.56 36.32,18.54 42.67,18.54 43.18,19.05 43.18,22.1 42.67,22.61 35.69,22.61
VDD3V3 on L3_PWR: 31.24,0.51 31.24,3.7 35.05,7.51 35.05,17.63 33.13,19.56 5.59,19.56 5.22,20.46 4.32,20.83 0.76,20.83 0.58,20.9 0.51,21.08 0.51,53.34 1.1,54.78 2.54,55.37 86.36,55.37 87.8,54.78 88.39,53.34 88.39,2.54 87.8,1.1 86.36,0.51
VDD5V_USB on TOP: 20.83,17.78 20.83,16.76 21.84,15.75 27.18,15.75 27.69,16.26 27.69,18.29 27.18,18.8 23.62,18.8 22.61,17.78
VDD5V_USB on TOP: 28.96,10.92 28.96,8.38 29.72,7.62 33.02,7.62 33.78,8.38 33.78,10.67 33.02,11.43 29.46,11.43
VDD5V_USB on TOP: 6.35,4.06 10.16,4.06 10.41,4.32 10.41,5.59 9.4,6.6 9.4,7.62 8.89,8.13 6.35,8.13 5.84,7.62 5.84,4.57
VDD5V_USB on L3_PWR: 2.54,0.51 1.1,1.1 0.51,2.54 0.51,11.94 0.58,12.12 0.76,12.19 4.32,12.19 5.22,12.56 5.59,13.46 5.59,19.05 32.91,19.05 34.54,17.42 34.54,7.73 30.73,3.92 30.73,0.51
VDD_SYS on TOP: 29.21,16.51 29.21,12.19 29.46,11.94 33.27,11.94 34.29,12.95 34.29,16.51 33.78,17.02 29.72,17.02
VSW on TOP: 36.83,17.53 36.07,16.76 36.07,16 36.17,15.9 37.69,15.9 38.35,15.24 42.42,15.24 42.67,15.49 42.67,17.02 42.16,17.53

## Text on the board
Ref Des/Silkscreen Bottom: NEG | POS | STM43L433RC | By Nightseas | V100 2021-04-08 | NightIoT BaseBoard
Ref Des/Silkscreen Top: USB | 3.7V | LIPO | PEN1 | AN | RST | CS | SCK | MISO | MOSI | +3.3V | GND | 3V3 | PEN2 | PEN3 | 8MHz | 32.768KHz | SYS | ACT | PWM | INT | RX | TX | SCL | SDA | NC | 5V | 4V | PC7 | PC8 | PC9 | PD2 | SWCLK | SWIO | Sensor | Connectivity | Base L433 | 1 | 2 | NightIoT | 3
